# Altium PCB E17-06-PDU_E17-PDU-LAYOUT.PcbDoc (part 2 of 2)
Units mil, origin at the board's own origin, x right, y up, seen from the top; angles counter-clockwise.
Board outline 5658 x 3552 mil, 4 copper layers (Top Layer, Internal Layer 1, Internal Layer 2, Bottom Layer), stack 30.634 mil thick; 170 components, 148 nets, 619 pads, 224 vias.
Unrouted connection lines stored in the file: 6.
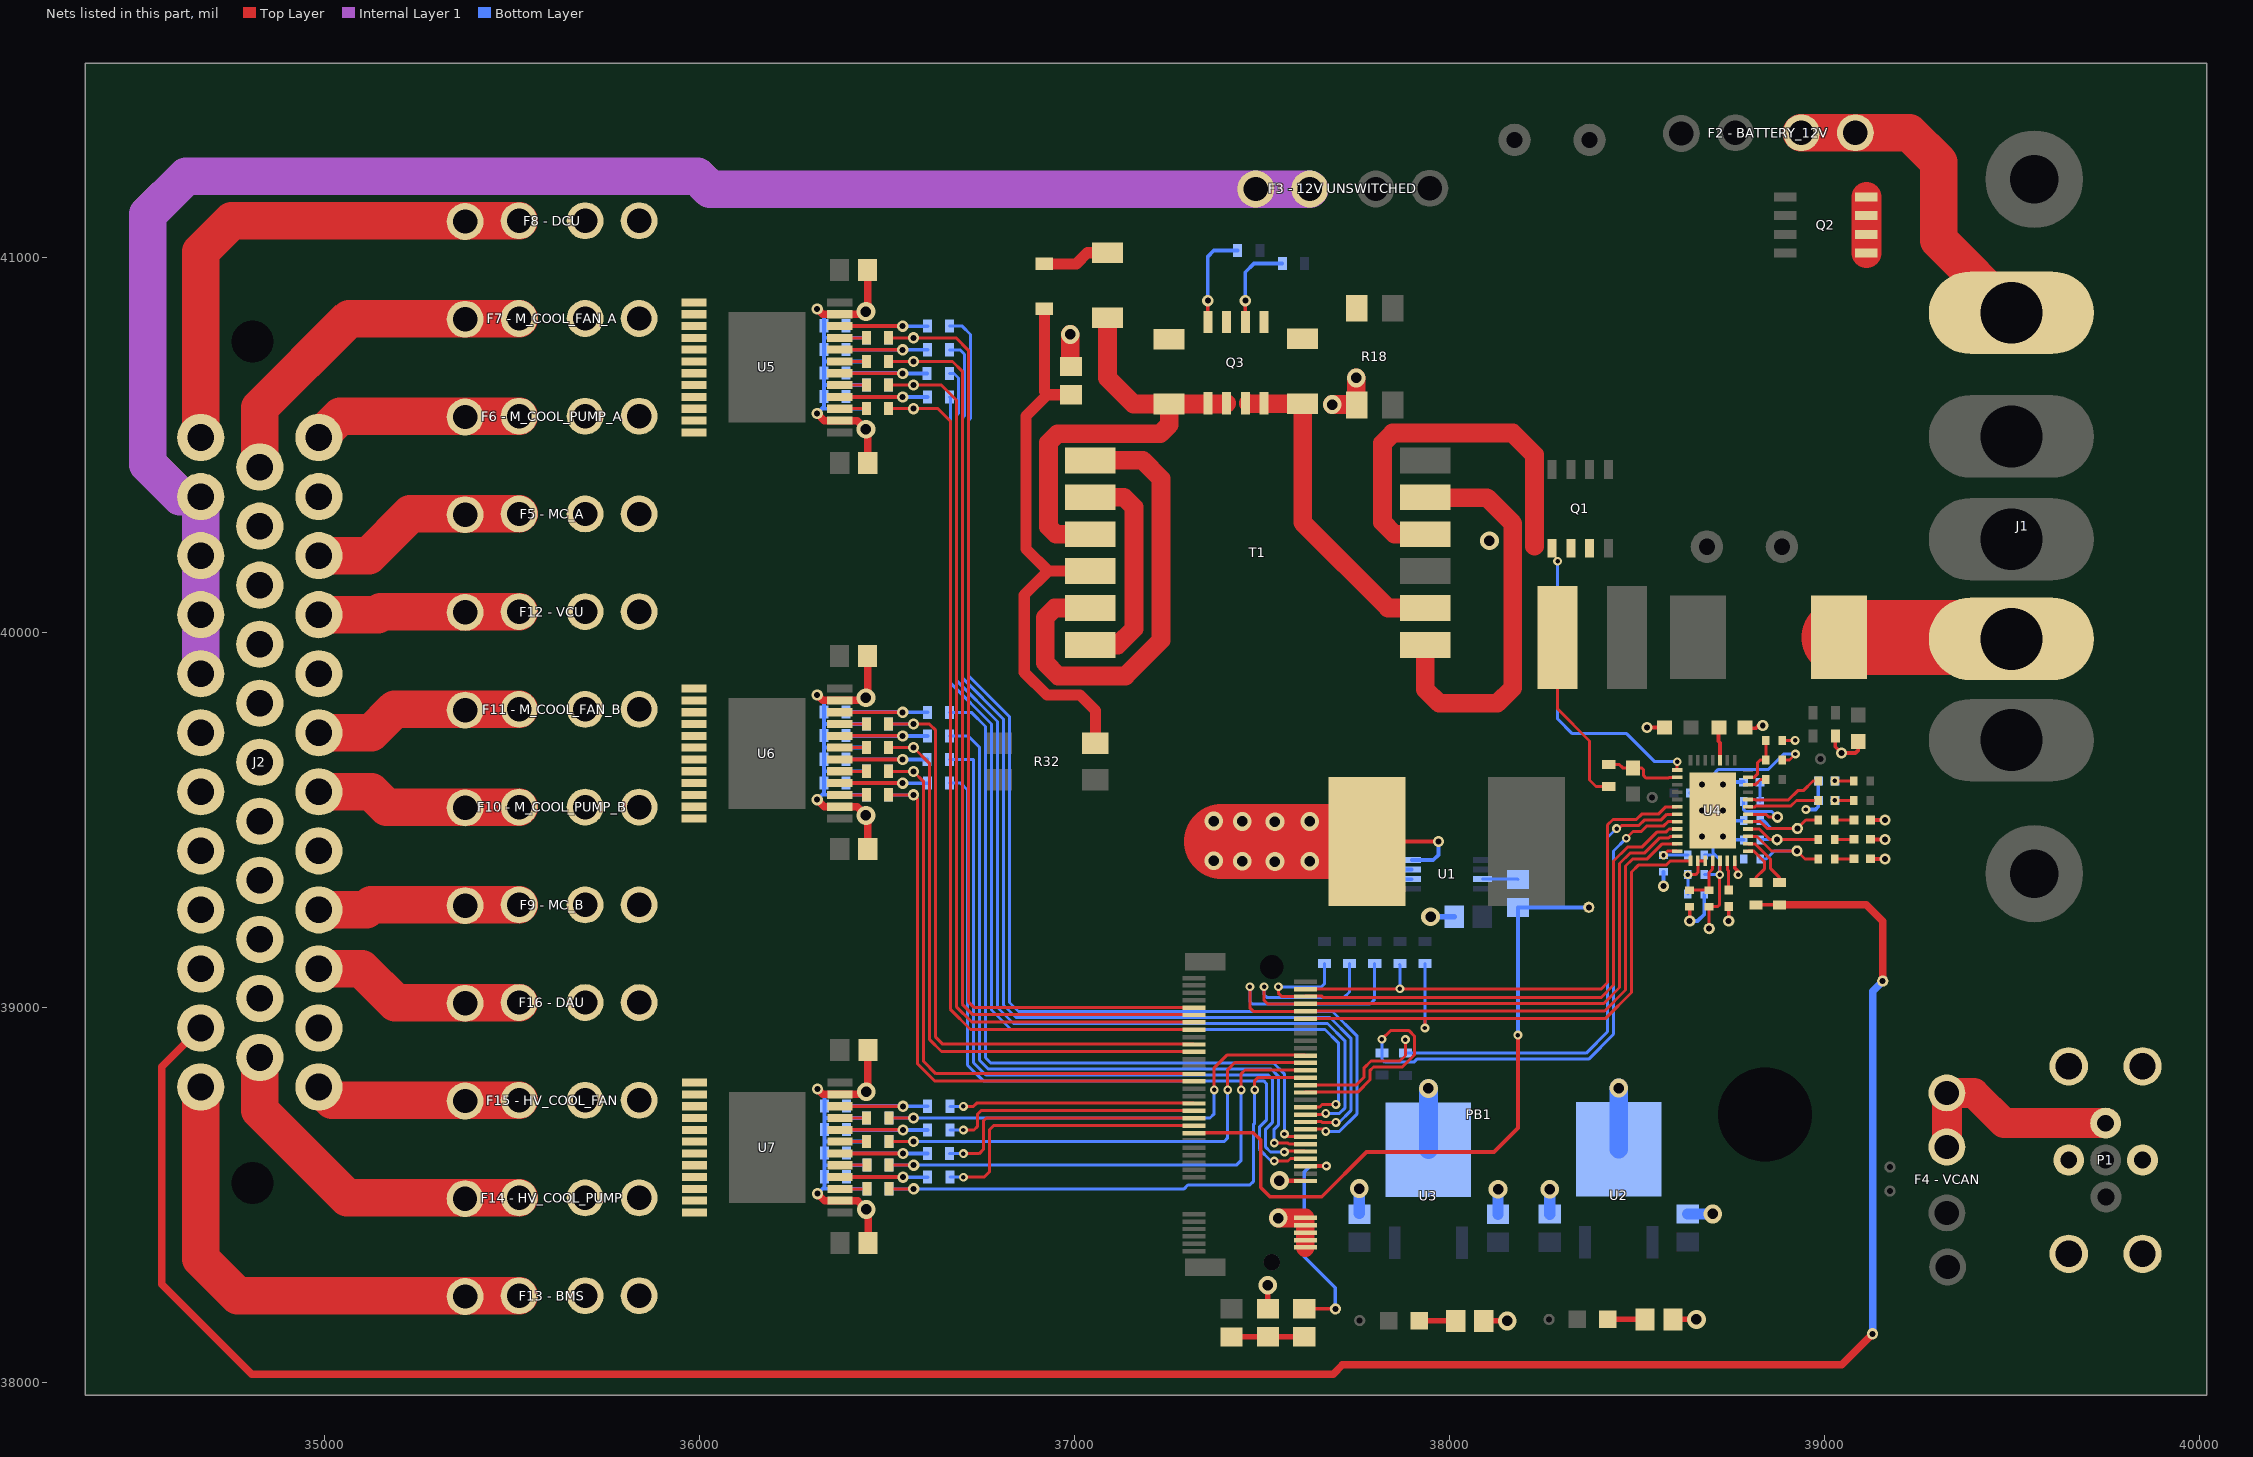
[diagram p4: the nets of this part, all layers, seen from the top]

## Via types
v1: diameter 50, hole 28, Top Layer to Bottom Layer, 108 vias
v2: diameter 23.62, hole 11.81, Top Layer to Bottom Layer, 44 vias
v3: diameter 30, hole 16, Top Layer to Bottom Layer, tented both sides, 32 vias
v4: diameter 30, hole 16, Top Layer to Bottom Layer, 23 vias
v5: diameter 23.62, hole 11.81, Top Layer to Bottom Layer, tented both sides, 10 vias
v6: diameter 50, hole 28, Top Layer to Bottom Layer, tented both sides, 5 vias
v7: diameter 30, hole 16, Top Layer to Bottom Layer, tented bottom, 1 vias
v8: diameter 23.62, hole 11.81, Top Layer to Bottom Layer, tented bottom, 1 vias

## Nets (pads, with @x,y where several pads share a name; then routed paths per layer and width w, separated by ;. In a path a pad name is that pad's centre, name@x,y a point inside that pad or via, vN(x,y) a via of type N, cw(c..) or ccw(c..) an arc to the next point about the centre after c; other vN are vias at no path point) (continued)
GND: C1.1 C2.2 C3.2 C4.2 C5.2 C6.2 C8.2 C9.2 C11.2 C12.1 C13.2 C14.2 C15.2 C16.2 C17.2 C18.2 C19.2 C22.2 C23.2 C24.2 C25.2 C26.2 C27.2 J2.2 J2.5 J2.8 J2.11 J2.14 J2.15 J2.16 J2.17 J2.18 J2.19 J2.20 J2.21 J2.22 J2.29 J2.30 J2.31 J2.32 J2.33 P1.1 P1.3 P1.6 P1.7 P1.8 P1.9 PB1.2 PB1.4 PB1.6 PB1.8 PB1.10 PB1.12 R1.1 R6.2 R9.2 R12.2 R14.2 R18.1 R27.2 R28.2 R29.2 R30.2 R33.2 R36.2 R38.2 R41.1 R42.1 R43.1 R46.1 R53.2 R54.2 R55.2 R56.2 R57.1 R58.1 R59.1 R62.1 R69.2 R70.2 R71.2 R72.2 R73.1 R74.1 R75.1 R78.1 R85.2 R86.2 R87.2 R88.2 U1.4 U2.2 U3.2 U4.19 U4.39 U5.2 U5.11 U6.2 U6.11 U7.2 U7.11 | length 6669.8
  Top Layer w8: R27.2@38888.23,39711.97 v5(38922.23,39711.97)
  Top Layer w9.84: U4.19@38761.28,39391.12 38761.28,39371.52 38770.23,39362.58 v5(38770.23,39353.97)
  Top Layer w10: R1.1@37780.77,39442.77 v4(37970.97,39442.77) ; v4(38526.97,39746.77) C4.2@38573.97,39746.77 ; v7(38641.25,39230.2) R29.2@38641.25,39268.95 ; v3(38745.25,39230.2) C16.2@38745.25,39268.95 ; C15.2@38788.97,39746.77 38790.97,39744.77 38817.97,39744.77 38824.97,39751.77 v4(38835.97,39751.77) ; R14.2@39029.47,39723.77 39029.47,39695.27 v3(39045.97,39678.77) 39082.97,39678.77 39090.97,39686.77 C8.2@39090.97,39709.77 ; C19.2@39123.25,39396 v3(39162,39396) ; C14.2@39123.25,39448 v3(39162,39448) ; C13.2@39123.25,39500 v3(39162,39500)
  Top Layer w12: v1(37547,38538) 37547.22,38537.78 PB1.12@37615.24,38537.78
  Top Layer w15: R6.2@37516,38196.4 v1(37516,38259) ; R12.2@38091.77,38163.77 v1(38154.37,38163.77) ; R9.2@38596.37,38167.77 v6(38658.97,38167.77)
  Top Layer w20: v4(36314,39554) 36332.73,39535.27 U6.2@36374.19,39535.27 36420.73,39535.27 v1(36444,39512) 36448.8,39507.2 C24.2@36448.8,39422 ; v4(36314,39833) 36328.27,39818.73 U6.11@36374.19,39818.73 36436.73,39818.73 v1(36444,39826) 36448.4,39830.4 C25.2@36448.4,39937 ; v4(36314,40584) 36332.73,40565.27 U5.2@36374.19,40565.27 36420.73,40565.27 v1(36444,40542) 36448.8,40537.2 C22.2@36448.8,40452 ; v4(36314,40863) 36328.27,40848.73 U5.11@36374.19,40848.73 36436.73,40848.73 v1(36444,40856) 36448.4,40860.4 C23.2@36448.4,40967 ; v4(36314.81,38503.26) 36333.54,38484.53 U7.2@36375,38484.53 36421.54,38484.53 v1(36444.81,38461.26) 36449.61,38456.46 C26.2@36449.61,38371.26 ; v4(36314.81,38782.26) 36329.08,38767.99 U7.11@36375,38767.99 36437.54,38767.99 v1(36444.81,38775.26) 36449.21,38779.66 C27.2@36449.21,38886.26
  Top Layer w50: v6(36989,40795) 36989,40711 C11.2@36991,40709 ; v1@37544.46,38438.46 PB1.10@37616,38438.46 PB1.8@37616,38418.78 PB1.6@37616,38399.1 PB1.4@37616,38379.41 PB1.2@37616,38359.72 ; v1(37687.97,40607.77) 37751.97,40607.77 v1(37751.97,40678.77)
  Top Layer w200: 37392.23,39442.77 R1.1@37780.77,39442.77
  Bottom Layer w9.84: C17.2@38643.23,39571.97 38667.23,39571.97 38674.23,39578.97 v3(38674.23,39593.97)
  Bottom Layer w10: v4(36314,39554) 36332.5,39572.5 ; v4(36314,39833) 36332.5,39814.5 R72.2@36332.5,39788 36332.5,39756 ; v4(36314,40584) 36332.5,40602.5 ; v4(36314,40863) 36332.5,40844.5 R56.2@36332.5,40818 36332.5,40786 ; v4(36314.81,38503.26) 36333.31,38521.76 ; v4(36314.81,38782.26) 36333.31,38763.76 R88.2@36333.31,38737.26 36333.31,38705.26 ; R57.1@36445.5,39567 36332.5,39567 36332.5,39572.5 ; R58.1@36445.5,39630 36332.5,39630 ; R59.1@36445.5,39693 36332.5,39693 ; R62.1@36445.5,39756 36332.5,39756 ; R41.1@36445.5,40597 36332.5,40597 36332.5,40602.5 ; R42.1@36445.5,40660 36332.5,40660 ; R43.1@36445.5,40723 36332.5,40723 ; R46.1@36445.5,40786 36332.5,40786 ; R73.1@36446.31,38516.26 36333.31,38516.26 36333.31,38521.76 ; R74.1@36446.31,38579.26 36333.31,38579.26 ; R75.1@36446.31,38642.26 36333.31,38642.26 ; R78.1@36446.31,38705.26 36333.31,38705.26 ; U1.4@37899.48,39393.16 37957.35,39393.16 37970.97,39406.77 v4(37970.97,39442.77) ; v3(38571.2,39323.2) R28.2@38571.2,39361.95 ; v7(38641.25,39230.2) 38662.2,39230.2 38680.23,39248.23 R30.2@38680.23,39301.97 ; v4(38730.23,39455.97) 38739.23,39446.97 R36.2@38785.23,39446.97 ; v4(38730.23,39524.97) 38757.23,39497.97 R33.2@38785.23,39497.97 ; v3(38730.23,39593.97) 38737.23,39600.97 C18.2@38785.23,39600.97 ; v5(38950.97,39527.77) 38976.97,39527.77 38984.23,39535.03 C9.2@38984.23,39551.97 C12.1@38984.23,39603.97 ; 36332.5,39572.5 R69.2@36332.5,39599 36332.5,39630 ; 36332.5,39630 R70.2@36332.5,39662 36332.5,39693 ; 36332.5,39693 R71.2@36332.5,39725 36332.5,39756 ; 36332.5,40602.5 R53.2@36332.5,40629 36332.5,40660 ; 36332.5,40660 R54.2@36332.5,40692 36332.5,40723 ; 36332.5,40723 R55.2@36332.5,40755 36332.5,40786 ; 36333.31,38521.76 R85.2@36333.31,38548.26 36333.31,38579.26 ; 36333.31,38579.26 R86.2@36333.31,38611.26 36333.31,38642.26 ; 36333.31,38642.26 R87.2@36333.31,38674.26 36333.31,38705.26
  Bottom Layer w15: v6(37949.97,39241.77) C1.1@38012.97,39241.77
  Bottom Layer w30: C6.2@37759.97,38450.14 v1(37759.97,38516.74) ; C5.2@38129.97,38448.17 v1(38129.97,38514.77) ; C3.2@38267.97,38448.57 v1(38267.97,38515.17) ; C2.2@38635.97,38449.17 v1(38702.57,38449.17)
  Bottom Layer w50: U3.2@37944.2,38620.8 v1(37944.2,38783.79) ; U2.2@38451.97,38621.79 v1(38451.97,38784.77)
  other v1: 37544,38438 37535,39389 37448,39390 37628,39390 37372,39391 37535,39495 37448,39496 37628,39496 37372,39497
  other v4: 38674.23,39455.97 38674.23,39524.97
  other v6: 38106.97,40244.77
ICAL: R34.1 R36.1 TP11.1 U4.23 | length 244.7
  Top Layer w8: U4.23@38796.72,39475.76 38826.81,39475.76 38855.23,39447.35 TP11.1@38874.23,39447.35 38874.86,39447.97 R34.1@38984.23,39447.97
  Bottom Layer w8: R36.1@38829.23,39446.97 38829.6,39447.35 TP11.1@38874.23,39447.35
ICHG: R31.1 R33.1 TP13.1 U4.24 | length 311.9
  Top Layer w8: U4.24@38796.72,39495.45 38829.76,39495.45 38847.86,39477.35 TP13.1@38928.23,39477.35 38950.86,39499.97 R31.1@38984.23,39499.97
  Bottom Layer w8: R33.1@38829.23,39497.97 38838.42,39497.97 38859.04,39477.35 TP13.1@38928.23,39477.35
IPCC: R37.1 R38.1 TP9.1 U4.22 | length 315.3
  Top Layer w8: U4.22@38796.72,39456.08 38820.66,39456.08 38859.39,39417.35 TP9.1@38923.23,39417.35 ; TP9.1@38927.23,39417.35 38948.6,39395.97 R37.1@38984.23,39395.97
  Bottom Layer w8: R38.1@38829.23,39395.97 38845.23,39395.97 38866.6,39417.35 TP9.1@38927.23,39417.35
ITH: R35.1 TP8.1 U4.25 | length 201.9
  Top Layer w8: U4.25@38796.72,39515.13 38844.7,39515.13 38852.48,39507.35 TP8.1@38875.23,39507.35
  Bottom Layer w8: R35.1@38785.23,39548.97 38785.23,39526.97 38789.23,39522.97 38859.6,39522.97 TP8.1@38875.23,39507.35
NetC7_2: C7.2 R13.2 U4.2 | length 207.1
  Top Layer w8: R13.2@38425.23,39648.47 38452.73,39648.47 38462.23,39638.97 C7.2@38490.23,39638.97 38512.23,39638.97 38518.23,39632.97 38518.23,39617.97 38524.23,39611.97 38585.23,39611.97 38586.81,39613.56 U4.2@38607.74,39613.56
NetC9_1: C9.1 R19.2 R20.1 | length 51
  Top Layer w8: v2(39028.23,39551.97) R20.1@39079.23,39551.97
NetC12_2: C12.2 R25.2 R26.1 | length 51
  Top Layer w8: v2(39028.23,39603.97) R26.1@39079.23,39603.97
NetC13_1: C13.1 R31.2 | length 51
  Top Layer w8: R31.2@39028.23,39499.97 C13.1@39079.23,39499.97
NetC14_1: C14.1 R34.2 | length 51
  Top Layer w8: R34.2@39028.23,39447.97 C14.1@39079.23,39447.97
NetC18_1: C18.1 R35.2 | length 52
  Bottom Layer w8: R35.2@38829.23,39548.97 C18.1@38829.23,39600.97
NetC19_1: C19.1 R37.2 | length 51
  Top Layer w8: R37.2@39028.23,39395.97 C19.1@39079.23,39395.97
NetD5_2: 
NetD6_2: D6.2 D8.2 | length 180.4
  Top Layer w30: D6.2@36920,40983 37004.85,40983 37034.85,41013 D8.2@37088,41013
NetF1_1: "F1 - DC/DC_12V.1" J1.4 | length 461.7
  Top Layer w200: 39038.97,39986.77 39494.97,39986.77 J1.4@39498.97,39982.77
NetF2_1: "F2 - BATTERY_12V.1" J1.1 | length 880.7
  Top Layer w100: 38938.96,41332.77 39083.05,41332.77 39226.97,41332.77 39305.97,41253.77 39305.97,41045.77 J1.1@39498.97,40852.77
NetF3_1: "F3 - 12V UNSWITCHED.1" J2.25 J2.26 J2.27 J2.28 | length 4470.6
  Internal Layer 1 w100: J2.28@34670,39890 J2.27@34670,40047.48 J2.26@34670,40204.96 J2.25@34670,40362.44 34615.56,40362.44 34529,40449 34529,41115 34631,41217 35994,41217 36028.23,41182.77 37483.79,41182.77 37627.89,41182.77
NetF4_1: "F4 - VCAN.1" P1.2 | length 601.1
  Top Layer w80: 39326.97,38627.77 39326.97,38771.87 39399.13,38771.87 39479.8,38691.2 P1.2@39750.54,38691.2
NetF5_1: "F5 - MC_A.1" U5.22 U5.23 U5.24
NetF5_2: "F5 - MC_A.2" J2.3 | length 580.1
  Top Layer w100: J2.3@34984.96,40204.96 35117.96,40204.96 35229.09,40316.09 35519,40316.09
NetF6_1: "F6 - M_COOL_PUMP_A.1" U5.19 U5.20 U5.21
NetF6_2: "F6 - M_COOL_PUMP_A.2" J2.1 | length 557.6
  Top Layer w100: J2.1@34984.96,40519.92 35041.77,40576.73 35519,40576.73
NetF7_1: "F7 - M_COOL_FAN_A.1" U5.16 U5.17 U5.18
NetF7_2: "F7 - M_COOL_FAN_A.2" J2.13 | length 948.4
  Top Layer w100: J2.13@34827.48,40441.18 34827.48,40599.48 35065.36,40837.36 35519,40837.36
NetF8_1: "F8 - DCU.1" U5.13 U5.14 U5.15
NetF8_2: "F8 - DCU.2" J2.24 | length 1378.5
  Top Layer w100: J2.24@34670,40519.92 34670,41015 34753,41098 35519,41098
NetF9_1: "F9 - MC_B.1" U6.22 U6.23 U6.24
NetF9_2: "F9 - MC_B.2" J2.9 | length 539.6
  Top Layer w100: J2.9@34984.96,39260.08 35111.08,39260.08 35124.55,39273.55 35519,39273.55
NetF10_1: "F10 - M_COOL_PUMP_B.1" U6.19 U6.20 U6.21
NetF10_2: "F10 - M_COOL_PUMP_B.2" J2.7 | length 551
  Top Layer w100: J2.7@34984.96,39575.04 35124.96,39575.04 35165.82,39534.18 35519,39534.18
NetF11_1: "F11 - M_COOL_FAN_B.1" U6.16 U6.17 U6.18
NetF11_2: "F11 - M_COOL_FAN_B.2" J2.6 | length 559.8
  Top Layer w100: J2.6@34984.96,39732.52 35124.52,39732.52 35186.82,39794.82 35519,39794.82
NetF12_1: "F12 - VCU.1" U6.13 U6.14 U6.15
NetF12_2: "F12 - VCU.2" J2.4 | length 537.3
  Top Layer w100: J2.4@34984.96,40047.48 35142.48,40047.48 35150.45,40055.45 35519,40055.45
NetF13_1: "F13 - BMS.1" U7.22 U7.23 U7.24
NetF13_2: "F13 - BMS.2" J2.35 | length 1347.6
  Top Layer w100: J2.35@34670,38787.64 34670,38330 34769,38231 35519,38231
NetF14_1: "F14 - HV_COOL_PUMP.1" U7.19 U7.20 U7.21
NetF14_2: "F14 - HV_COOL_PUMP.2" J2.23 | length 929
  Top Layer w100: J2.23@34827.48,38866.38 34827.48,38725.52 35061,38492 35518.92,38492
NetF15_1: "F15 - HV_COOL_FAN.1" U7.16 U7.17 U7.18
NetF15_2: "F15 - HV_COOL_FAN.2" J2.12 | length 548.7
  Top Layer w100: J2.12@34984.96,38787.64 35020.33,38752.27 35519,38752.27
NetF16_1: "F16 - DAU.1" U7.13 U7.14 U7.15
NetF16_2: "F16 - DAU.2" J2.10 | length 571.2
  Top Layer w100: J2.10@34984.96,39102.6 35099.4,39102.6 35189.09,39012.91 35519,39012.91
NetJ2_34: J2.34 R15.1 R17.1 TP14.1 | length 6900.7
  Top Layer w10: R15.1@38818.23,39273.47 R17.1@38880.23,39273.47
  Top Layer w20: J2.34@34670,38945.12 34566,38841.12 34566,38262 34806,38022 37690.11,38022 37715.06,38046.94 39046.68,38046.94 v4(39129,38129.26) ; R17.1@38880.23,39273.47 39112.53,39273.47 39156,39230 TP14.1@39156,39070
  Bottom Layer w20: v4(39129,38129.26) 39129,39043 TP14.1@39156,39070
NetLED1_2: LED1.2 R9.1 | length 98.6
  Top Layer w15: LED1.2@38423,38167.77 R9.1@38521.57,38167.77
NetLED2_2: LED2.2 R12.1 | length 97
  Top Layer w15: LED2.2@37920,38163.77 R12.1@38016.97,38163.77
NetPB1_16: PB1.16 R5.2 TP2.1 | length 605
  Top Layer w10: R5.2@37613,38196.4 37695.6,38196.4 TP2.1@37696,38196 ; PB1.16@37615.24,38577.15 37615.38,38577 v2(37672,38577)
  Bottom Layer w10: v2(37672,38577) 37629,38577 37613,38561 37613,38335 37696,38252 TP2.1@37696,38196
NetPB1_18: PB1.18 R65.1 | length 1927.5
  Top Layer w8: v2(37533,38590.3) 37533.19,38590.49 37569.86,38590.49 37576.21,38596.83 PB1.18@37615.24,38596.83
  Bottom Layer w8: R65.1@36667,39598 36697,39598 36715,39580 36715,38846 36757,38804 37505,38804 37512,38797 37512,38699.25 37493.19,38680.44 37493.19,38621.81 37524.7,38590.3 v2(37533,38590.3)
NetPB1_20: PB1.20 R66.1 | length 1989.6
  Top Layer w8: v2(37560,38614.3) 37562.22,38616.52 PB1.20@37615.24,38616.52
  Bottom Layer w8: R66.1@36666.5,39661 36731,39661 36731,38852.63 36763.63,38820 37517.75,38820 37528,38809.75 37528,38692.63 37509.19,38673.82 37509.19,38628.44 37523.33,38614.3 v2(37560,38614.3)
NetPB1_22: PB1.22 R67.1 | length 2007.7
  Top Layer w8: v2(37533,38638.3) 37533.19,38638.11 37569.86,38638.11 37571.77,38636.2 PB1.22@37615.24,38636.2
  Bottom Layer w8: R67.1@36667,39724 36717,39724 36747,39694 36747,38859.25 36770.25,38836 37524.37,38836 37544,38816.37 37544,38686 37533,38675 v2(37533,38638.3)
NetPB1_24: PB1.24 R68.1 | length 2028.2
  Top Layer w8: v2(37560,38662.3) 37566.41,38655.89 PB1.24@37615.24,38655.89
  Bottom Layer w8: R68.1@36667,39787 36725,39787 36763,39749 36763,38865.88 36776.88,38852 37531,38852 37560,38823 v2(37560,38662.3)
NetPB1_25: PB1.25 R2.2 TP1.1 | length 1863
  Top Layer w10: PB1.25@37317.99,38665.73 37477.27,38665.73 37497,38646 37497,38520 37522,38495 37660,38495 37779,38614 38119,38614 38183,38678 v2(38183,38926)
  Bottom Layer w10: R2.2@38182.97,39266.37 38371.37,39266.37 TP1.1@38372,39267 ; v2(38183,38926) R2.2@38183,39266.34
NetPB1_26: PB1.26 R52.1 | length 3227.2
  Top Layer w8: PB1.26@37615.24,38675.57 37664.06,38675.57 v2(37670.47,38669.16)
  Bottom Layer w8: R52.1@36667,40817 36701,40817 36723,40795 36723,40570.75 36717,40564.75 36717,39885.51 36827,39775.51 36827,39013 36850.68,38989.32 37688.56,38989.32 37753.28,38924.6 37753.28,38715.3 37707.33,38669.35 37670.66,38669.35 v2(37670.47,38669.16)
NetPB1_27: PB1.27 R81.1 | length 773.2
  Top Layer w8: v2(36704,38547) 36759,38547 36773,38561 36773,38673 36785.42,38685.42 PB1.27@37317.99,38685.42
  Bottom Layer w8: R81.1@36667.81,38547.26 36703.74,38547.26 v2(36704,38547)
NetPB1_28: PB1.28 R51.1 | length 3120.8
  Top Layer w8: PB1.28@37615.24,38695.26 37658.7,38695.26 37660.61,38693.35 37697.28,38693.35 v2(37697.47,38693.16)
  Bottom Layer w8: R51.1@36667,40754 36695,40754 36707,40742 36707,40577.37 36701,40571.37 36701,39878.88 36811,39768.88 36811,39006.37 36844.05,38973.32 37681.93,38973.32 37737.28,38917.97 37737.28,38724.67 37705.77,38693.16 v2(37697.47,38693.16)
NetPB1_29: PB1.29 R82.1 | length 734.7
  Top Layer w8: v2(36704,38610) 36746,38610 36757,38621 36757,38697 36765.1,38705.1 PB1.29@37317.99,38705.1
  Bottom Layer w8: R82.1@36667.3,38610.25 36667.55,38610 v2(36704,38610)
NetPB1_30: PB1.30 R50.1 | length 3012.5
  Top Layer w8: PB1.30@37615.24,38714.94 37668.25,38714.94 v2(37670.47,38717.16)
  Bottom Layer w8: R50.1@36666.5,40691 36679,40691 36691,40679 36691,40584 36685,40578 36685,39872.25 36795,39762.25 36795,38999.75 36837.42,38957.32 37675.31,38957.32 37721.28,38911.35 37721.28,38731.3 37707.33,38717.35 37670.66,38717.35 v2(37670.47,38717.16)
NetPB1_31: PB1.31 R83.1 | length 690.8
  Top Layer w8: v2(36704,38673) 36732,38673 36741,38682 36741,38714.47 36751.32,38724.79 PB1.31@37317.99,38724.79
  Bottom Layer w8: R83.1@36667.79,38673.24 36703.76,38673.24 v2(36704,38673)
NetPB1_32: PB1.32 R49.1 | length 2894.6
  Top Layer w8: PB1.32@37615.24,38734.63 37654.26,38734.63 37660.61,38740.97 v2@37697.28,38740.97
  Bottom Layer w8: R49.1@36667,40628 36669,40626 36669,39865.63 36779,39755.63 36779,38993.12 36830.8,38941.32 37668.68,38941.32 37704,38906 37704,38747.69 v2(37697.47,38741.16)
NetPB1_33: PB1.33 R84.1 | length 653.8
  Top Layer w8: v2(36704,38736) 36731,38736 36739.47,38744.47 PB1.33@37317.99,38744.47
  Bottom Layer w8: R84.1@36667.81,38736.26 36668.07,38736 v2(36704,38736)
NetPB1_36: PB1.36 R8.1 U4.8 | length 1896
  Top Layer w8: PB1.36@37615.24,38774 37755.63,38774 37788,38806.37 37788,38831.37 37797.63,38841 37874.63,38841 37906.81,38873.18 37906.81,38923.86 37892.86,38937.81 37842.81,38937.81 v2(37820,38915) ; v2(38472,39451) 38489.96,39468.96 38512.09,39468.96 38527.52,39484.39 38571.97,39484.39 38583.03,39495.45 U4.8@38607.74,39495.45
  Bottom Layer w8: v2(37820,38915) R8.1@37820,38878.5 37820,38862 37828,38854 37905.47,38854 37913.47,38862 38371.63,38862 38438.19,38928.56 38438.19,39417.19 v2(38472,39451)
NetPB1_38: PB1.38 R7.1 U4.7 | length 1684.9
  Top Layer w8: PB1.38@37615.24,38793.68 37752.68,38793.68 37772,38813 37772,38838 37791,38857 37868,38857 37883,38872 v2(37883,38914) ; v2(38446,39477) 38451.63,39477 38459.59,39484.96 38505.46,39484.96 38520.89,39500.39 38565.35,39500.39 38580.09,39515.13 U4.7@38607.74,39515.13
  Bottom Layer w8: v2(37883,38914) R7.1@37883,38878 38365,38878 38422.19,38935.19 38422.19,39453.19 v2(38446,39477)
NetPB1_39: PB1.39 R57.2 R60.1 | length 1610.4
  Top Layer w8: R60.1@36504.5,39567 v3(36571,39567) 36582,39556 36582,38849 36627.47,38803.53 PB1.39@37317.99,38803.53
  Bottom Layer w8: R57.2@36504.5,39567 v3(36571,39567)
NetPB1_40: PB1.40 R73.2 R76.1 | length 1454.1
  Top Layer w8: R76.1@36505.31,38516.26 v3(36571.26,38516.26) ; v2(37481,38780) 37481,38804 37490.37,38813.37 PB1.40@37615.24,38813.37
  Bottom Layer w8: R73.2@36505.31,38516.26 v3(36571.26,38516.26) 37292.83,38516.26 37302.67,38526.1 37468,38526.1 37477.19,38535.29 37477.19,38687.07 37481,38690.88 v2(37481,38780)
NetPB1_41: PB1.41 R58.2 R61.1 | length 1651.8
  Top Layer w8: R61.1@36504.5,39630 36505.5,39629 v3(36571,39629) 36598,39602 36598,38855.63 36630.42,38823.21 PB1.41@37317.99,38823.21
  Bottom Layer w8: R58.2@36504.5,39630 36505.5,39629 v3(36571,39629)
NetPB1_42: PB1.42 R74.2 R77.1 | length 1416.2
  Top Layer w8: R77.1@36505.31,38579.26 v3(36571.26,38579.26) ; v2(37445,38780) 37445,38823 37455.05,38833.05 PB1.42@37615.24,38833.05
  Bottom Layer w8: R74.2@36505.31,38579.26 v3(36571.26,38579.26) 37432,38579.26 37445,38592.26 v2(37445,38780)
NetPB1_44: PB1.44 R75.2 R79.1 | length 1370
  Top Layer w8: R79.1@36505.06,38642.01 v3(36571.01,38642.01) ; v2(37409,38780) 37409,38834 37427.74,38852.74 PB1.44@37615.24,38852.74
  Bottom Layer w8: R75.2@36505.06,38642.01 v3(36571.01,38642.01) 37399,38642.01 37409,38652.01 v2(37409,38780)
NetPB1_46: PB1.46 R78.2 R80.1 | length 1317.5
  Top Layer w8: R80.1@36505.05,38705 v3(36571,38705) ; v2(37373,38780) 37373,38839 37406.42,38872.42 PB1.46@37615.24,38872.42
  Bottom Layer w8: R78.2@36505.05,38705 v3(36571,38705) 37362,38705 37373,38716 v2(37373,38780)
NetPB1_47: PB1.47 R59.2 R63.1 | length 1646.9
  Top Layer w8: R63.1@36504.5,39693 v3(36571,39693) 36614,39650 36614,38914 36645.73,38882.27 PB1.47@37317.99,38882.27
  Bottom Layer w8: R59.2@36504.5,39693 v3(36571,39693)
NetPB1_49: PB1.49 R62.2 R64.1 | length 1713.1
  Top Layer w8: R64.1@36504.5,39756 v3(36571,39756) 36613,39756 36630,39739 36630,38920.63 36648.68,38901.95 PB1.49@37317.99,38901.95
  Bottom Layer w8: R62.2@36504.5,39756 v3(36571,39756)
NetPB1_53: PB1.53 R41.2 R44.1 | length 2429.5
  Top Layer w8: R44.1@36504.5,40597 v3(36571,40597) 36636,40597 36669,40564 36669,38995.37 36723.05,38941.32 PB1.53@37317.99,38941.32
  Bottom Layer w8: R41.2@36504.5,40597 R41.2@36512.5,40605
NetPB1_55: PB1.55 R42.2 R45.1 | length 2465
  Top Layer w8: R45.1@36504.5,40660 v3(36571,40660) 36645,40660 36685,40620 36685,39002 36725.99,38961.01 PB1.55@37317.99,38961.01
NetPB1_56: PB1.56 R95.2 U4.13 | length 1587.8
  Top Layer w8: PB1.56@37615.24,38970.85 37935,38970.85 ; v2(37935,38945) 37935,38970.85 ; U4.13@38643.17,39391.12 38590.04,39391.12 38578.12,39379.19 38504,39379.19 38486.19,39361.38 38486.19,39039.68 38417.36,38970.85 37935,38970.85
  Bottom Layer w8: v2(37935,38945) R95.2@37935,39116.5
NetPB1_57: PB1.57 R43.2 R47.1 | length 2524.2
  Top Layer w8: R47.1@36504.5,40723 v3(36571,40723) 36675,40723 36701,40697 36701,39008.63 36728.93,38980.69 PB1.57@37317.99,38980.69
NetPB1_58: PB1.58 R94.2 U4.11 | length 2053.3
  Top Layer w8: v2(37468,39055) 37468,38999 37477.36,38989.64 PB1.58@37616,38989.64 ; PB1.58@37615.24,38990.53 38414.42,38990.53 38470.19,39046.31 38470.19,39376.93 38488.44,39395.19 38526.77,39395.19 38567.97,39436.39 U4.11@38607.74,39436.39
  Bottom Layer w8: v2(37468,39055) 37468,39016 37474.67,39009.33 37788.33,39009.33 37801,39022 R94.2@37801,39116.5
NetPB1_59: PB1.59 R46.2 R48.1 | length 2571.1
  Top Layer w8: R48.1@36504.5,40786 v3(36571,40786) 36684,40786 36717,40753 36717,39015.25 36731.88,39000.38 PB1.59@37317.99,39000.38
NetPB1_60: PB1.60 R93.2 U4.10 | length 1854.4
  Top Layer w8: v2(37506,39055) 37506,39019 37515.67,39009.33 PB1.60@37616,39009.33 ; PB1.60@37615.24,39010.22 37615.68,39009.78 38411.03,39009.78 38454.19,39052.93 38454.19,39383.56 38481.82,39411.19 38520.14,39411.19 38561.34,39452.39 38585.23,39452.39 38588.91,39456.08 U4.10@38607.74,39456.08
  Bottom Layer w8: v2(37506,39055) 37506,39034 37513,39027 37720,39027 37734,39041 R93.2@37734,39116.5
NetPB1_62: PB1.62 R92.2 U4.9 | length 1646.8
  Top Layer w8: v2(37544,39055) 37544,39038 37552.99,39029.01 PB1.62@37616,39029.01 ; PB1.62@37615.24,39029.9 37660.1,39029.9 37664.22,39025.78 38404.41,39025.78 38438.19,39059.56 38438.19,39390.19 38475.19,39427.19 38513.52,39427.19 38554.72,39468.39 38578.6,39468.39 38585.97,39475.76 U4.9@38607.74,39475.76
  Bottom Layer w8: v2(37544,39055) 37659,39055 37667,39063 R92.2@37667,39116.5
NetPB1_64: PB1.64 R91.2 U4.6 | length 1505.2
  Top Layer w8: PB1.64@37615.24,39049.59 v5(37868,39049.59) 38405.59,39049.59 38422.19,39066.19 38422.19,39486.86 38436.29,39500.96 38498.83,39500.96 38514.26,39516.39 38558.72,39516.39 38577.14,39534.82 U4.6@38607.74,39534.82
  Bottom Layer w8: R91.2@37867,39114.51 37868,39113.51 v5(37868,39049.59)
NetQ2_5: Q2.5 Q2.6 Q2.7 Q2.8 | length 150
  Top Layer w80: Q2.5@39112.27,41011.77 Q2.6@39112.27,41061.77 Q2.7@39112.27,41111.77 Q2.8@39112.27,41161.77
NetQ3_2: Q3.2 R89.2 | length 240.7
  Top Layer w10: Q3.2@37455.97,40828.08 v4(37455.97,40884.77)
  Bottom Layer w10: v4(37455.97,40884.77) 37455.97,40960.77 37478.97,40983.77 R89.2@37554.47,40983.77
NetQ3_4: Q3.4 R90.2 | length 260.8
  Top Layer w10: Q3.4@37355.97,40828.08 v4(37355.97,40884.77)
  Bottom Layer w10: v4(37355.97,40884.77) 37355.97,41002.77 37371.97,41018.77 R90.2@37435.47,41018.77
NetR2_1: R2.1 U1.7 | length 94.8
  Bottom Layer w8: U1.7@38088.46,39341.98 38182.16,39341.98 R2.1@38182.97,39341.17
NetR3_1: R3.1 U1.3 | length 83.7
  Bottom Layer w10: R3.1@37825.97,39392.17 37849.4,39392.17 37874.01,39367.57 U1.3@37899.48,39367.57
NetR3_2: R3.2 U1.2 | length 83.7
  Bottom Layer w10: R3.2@37825.97,39317.37 37846.57,39317.37 37871.17,39341.98 U1.2@37899.48,39341.98
NetR4_1: R4.1 R5.1 R6.1 | length 194.2
  Top Layer w10: R5.1@37612.6,38121.2 R5.1@37613,38121.6
  Top Layer w15: R4.1@37419,38121.2 R5.1@37612.6,38121.2
NetR15_2: R15.2 U4.20 | length 121.4
  Top Layer w8: U4.20@38796.72,39416.71 38812.5,39416.71 38841.23,39387.97 38841.23,39369.97 38818.23,39346.97 R15.2@38818.23,39332.47
NetR16_1: R16.1 U4.29 | length 53.4
  Top Layer w8: U4.29@38796.72,39593.87 38816.13,39593.87 38830.23,39607.97 R16.1@38844.23,39607.97
NetR17_2: R17.2 U4.21 | length 149.5
  Top Layer w8: U4.21@38796.72,39436.39 38815.44,39436.39 38857.23,39394.6 38857.23,39369.97 38880.23,39346.97 R17.2@38880.23,39332.47
NetR19_1: R19.1 U4.26 | length 194.6
  Top Layer w8: U4.26@38796.72,39534.82 38815.07,39534.82 38817.23,39536.97 38910.86,39536.97 38925.86,39551.97 R19.1@38984.23,39551.97
NetR25_1: R25.1 U4.27 | length 209.3
  Top Layer w8: U4.27@38796.72,39554.5 38814.7,39554.5 38816.23,39552.97 38904.23,39552.97 38929.22,39577.96 38944.22,39577.96 38970.23,39603.97 R25.1@38984.23,39603.97
NetR44_2: R44.2 U5.3 | length 71.4
  Top Layer w8: U5.3@36374.19,40596.76 36374.43,40597 R44.2@36445.5,40597
NetR45_2: R45.2 U5.5 | length 71.4
  Top Layer w8: U5.5@36374.19,40659.76 36445.26,40659.76 R45.2@36445.5,40660
NetR47_2: R47.2 U5.7 | length 71.4
  Top Layer w8: U5.7@36374.19,40722.75 36445.25,40722.75 R47.2@36445.5,40723
NetR48_2: R48.2 U5.9 | length 71.4
  Top Layer w8: U5.9@36374.19,40785.74 36445.24,40785.74 R48.2@36445.5,40786
NetR49_2: R49.2 R53.1 U5.4 | length 384.8
  Top Layer w10: U5.4@36374.19,40628.26 36541.74,40628.26 v3(36542,40628)
  Bottom Layer w10: R53.1@36391.5,40629 36392.5,40628 v3(36542,40628) R49.2@36608,40628
NetR50_2: R50.2 R54.1 U5.6 | length 384.3
  Top Layer w10: U5.6@36374.19,40691.25 36541.74,40691.25 v3(36542,40690.99)
  Bottom Layer w10: R54.1@36391.5,40692 36540.99,40692 v3(36542,40690.99) R50.2@36607.5,40691
NetR51_2: R51.2 R55.1 U5.8 | length 384.8
  Top Layer w10: U5.8@36374.19,40754.24 36541.74,40754.24 v3(36542,40753.98)
  Bottom Layer w10: R55.1@36391.5,40755 36392.52,40753.98 v3(36542,40753.98) R51.2@36608,40754
NetR52_2: R52.2 R56.1 U5.10 | length 384.8
  Top Layer w10: U5.10@36374.19,40817.24 36541.74,40817.24 v3(36542,40816.98)
  Bottom Layer w10: R56.1@36391.5,40818 36540.98,40818 v3(36542,40816.98) R52.2@36608,40817
NetR60_2: R60.2 U6.3 | length 71.4
  Top Layer w8: U6.3@36374.19,39566.76 36374.43,39567 R60.2@36445.5,39567
NetR61_2: R61.2 U6.5 | length 71.4
  Top Layer w8: U6.5@36374.19,39629.76 36445.26,39629.76 R61.2@36445.5,39630
NetR63_2: R63.2 U6.7 | length 71.4
  Top Layer w8: U6.7@36374.19,39692.75 36445.25,39692.75 R63.2@36445.5,39693
NetR64_2: R64.2 U6.9 | length 71.4
  Top Layer w8: U6.9@36374.19,39755.74 36445.24,39755.74 R64.2@36445.5,39756
NetR65_2: R65.2 R69.1 U6.4 | length 384.8
  Top Layer w10: U6.4@36374.19,39598.26 36541.74,39598.26 v3(36542,39598)
  Bottom Layer w10: R69.1@36391.5,39599 36392.5,39598 v3(36542,39598) R65.2@36608,39598
NetR66_2: R66.2 R70.1 U6.6 | length 384.3
  Top Layer w10: U6.6@36374.19,39661.25 36541.74,39661.25 v3(36542,39660.99)
  Bottom Layer w10: R70.1@36391.5,39662 36540.99,39662 v3(36542,39660.99) R66.2@36607.5,39661
NetR67_2: R67.2 R71.1 U6.8 | length 384.8
  Top Layer w10: U6.8@36374.19,39724.24 36541.74,39724.24 v3(36542,39723.98)
  Bottom Layer w10: R71.1@36391.5,39725 36392.52,39723.98 v3(36542,39723.98) R67.2@36608,39724
NetR68_2: R68.2 R72.1 U6.10 | length 384.8
  Top Layer w10: U6.10@36374.19,39787.24 36541.74,39787.24 v3(36542,39786.98)
  Bottom Layer w10: R72.1@36391.5,39788 36540.98,39788 v3(36542,39786.98) R68.2@36608,39787
NetR76_2: R76.2 U7.3 | length 71.4
  Top Layer w8: U7.3@36375,38516.02 36375.24,38516.26 R76.2@36446.31,38516.26
NetR77_2: R77.2 U7.5 | length 71.4
  Top Layer w8: U7.5@36375,38579.02 36446.06,38579.02 R77.2@36446.31,38579.26
NetR79_2: R79.2 U7.7 | length 71.4
  Top Layer w8: U7.7@36375,38642.01 R79.2@36446.06,38642.01 R79.2@36446.31,38642.26
NetR80_2: R80.2 U7.9 | length 71.4
  Top Layer w8: U7.9@36375,38705 R80.2@36446.05,38705 R80.2@36446.31,38705.26
NetR81_2: R81.2 R85.1 U7.4 | length 384.8
  Top Layer w10: U7.4@36375,38547.52 36542.55,38547.52 v3(36542.81,38547.26)
  Bottom Layer w10: R85.1@36392.31,38548.26 36393.31,38547.26 v3(36542.81,38547.26) R81.2@36608.81,38547.26
NetR82_2: R82.2 R86.1 U7.6 | length 384.3
  Top Layer w10: U7.6@36375,38610.51 36542.55,38610.51 v3(36542.81,38610.25)
  Bottom Layer w10: R86.1@36392.31,38611.26 36541.8,38611.26 v3(36542.81,38610.25) R82.2@36608.3,38610.25
NetR83_2: R83.2 R87.1 U7.8 | length 384.8
  Top Layer w10: U7.8@36375,38673.5 36542.55,38673.5 v3(36542.81,38673.24)
  Bottom Layer w10: R87.1@36392.31,38674.26 36393.32,38673.24 v3(36542.81,38673.24) R83.2@36608.79,38673.24
NetR84_2: R84.2 R88.1 U7.10 | length 384.8
  Top Layer w10: U7.10@36375,38736.5 36542.55,38736.5 v3(36542.81,38736.24)
  Bottom Layer w10: R88.1@36392.31,38737.26 36541.78,38737.26 v3(36542.81,38736.24) R84.2@36608.78,38736.24
NetT1_1: T1.1 T1.5 | length 1084.8
  Top Layer w50: T1.1@37936,39966.87 37936,39848 37972.97,39811.03 38128,39811.03 38168.97,39852 38168.97,40290.77 38100.74,40359 37937.57,40359 T1.5@37936,40360.57
NetT1_7: T1.7 T1.11 | length 1254.6
  Top Layer w50: T1.11@37042.3,40065.3 36947.3,40065.3 36922,40040 36922,39919 36957,39884 37136,39884 37231,39979 37231,40410 37182,40459 T1.7@37042.3,40459
NetT1_8: T1.8 T1.12 | length 586.3
  Top Layer w50: T1.12@37042.3,39966.87 37115.87,39966.87 37159,40010 37159,40334 37132.43,40360.57 T1.8@37042.3,40360.57
SELA: R22.2 R28.1 U4.12 | length 106
  Top Layer w8: v2(38571.23,39405.97) 38581.96,39416.71 U4.12@38607.74,39416.71
  Bottom Layer w8: v2(38571.23,39405.97) R22.2@38636.23,39405.97
SELC: R21.2 R27.1 U4.30 | length 136.5
  Top Layer w8: U4.30@38796.72,39613.56 38813.18,39613.56 38822.5,39622.87 38822.5,39653.24 38829.23,39659.97 R21.2@38844.23,39659.97 R27.1@38844.23,39711.97
SYNC_FET_SOURCE: D3.1 D4.1 Q3.1 Q3.3 R18.2
TIMER: C16.1 U4.18 | length 79.6
  Top Layer w8: U4.18@38741.6,39391.12 38741.6,39367.28 38745.23,39363.65 C16.1@38745.23,39312.97
TRANS_PRI_1: Q1.1 Q1.2 Q1.3 R10.2 R13.1 T1.4 U4.1 | length 2304.8
  Top Layer w8: R10.2@38288.93,39986.77 38288.93,39795.81 38373.97,39710.77 38373.97,39606.77 38391.27,39589.47 R13.1@38425.23,39589.47 ; U4.1@38607.74,39633.24 v2(38607.74,39655.26)
  Top Layer w50: T1.4@37936,40262.15 37853.85,40262.15 37822,40294 37822,40505 37848.77,40531.77 38168.97,40531.77 38226.97,40473.77 38226.97,40229.77
  Bottom Layer w8: v2(38289,40190) 38289,39769 38328,39730 38473,39730 38547.74,39655.26 v2(38607.74,39655.26)
TRANS_PRI_2: D3.2 Q3.7 Q3.8 T1.2 | length 883.8
  Top Layer w50: Q3.7@37463.97,40611.46 37465.66,40609.77 D3.2@37608.97,40609.77 37608.97,40293.03 37836.7,40065.3 T1.2@37936,40065.3
TRANS_SEC_1: C11.1 D6.1 R32.2 T1.10 | length 1542.3
  Top Layer w30: D6.1@36920,40863 36920,40642.39 36928.2,40634.2 ; C11.1@36991,40634.2 36928.2,40634.2 ; T1.10@37042.3,40163.72 36930.28,40163.72 ; R32.2@37056,39704 37056,39792 37015,39833 36927,39833 36866,39894 36866,40099.45 36930.28,40163.72 ; 36928.2,40634.2 36871,40577 36871,40223 36930.28,40163.72
TRANS_SEC_2: D4.2 D8.1 Q3.5 Q3.6 T1.9 | length 1249.3
  Top Layer w50: T1.9@37042.3,40262.15 36950.85,40262.15 36931,40282 36931,40506 36955,40530 37229.2,40530 37252.97,40553.77 D4.2@37252.97,40609.16 ; D8.1@37088,40839.77 37088,40679 37157.84,40609.16 D4.2@37252.97,40609.16 ; Q3.6@37405.97,40611.46 37403.66,40609.16 D4.2@37252.97,40609.16
VCAL/VDIS: R24.2 R30.1 U4.14 U4.15 | length 132.2
  Top Layer w8: v8(38636.23,39353.97) 38657.23,39353.97 38662.86,39359.6 U4.14@38662.86,39391.12 U4.15@38682.54,39391.12
  Bottom Layer w8: R30.1@38636.23,39301.97 v8(38636.23,39353.97)
VCHG: R23.2 R29.1 U4.16 | length 133.9
  Top Layer w8: R29.1@38641.23,39312.97 R23.2@38693.23,39312.97 38693.23,39359.65 38702.23,39368.65 U4.16@38702.23,39391.12
VDD: C15.1 U4.34 | length 90
  Top Layer w10: C15.1@38718.97,39746.77 38717.97,39745.77 38717.97,39709.85 38721.91,39705.91 U4.34@38721.91,39658.83
VREF: R21.1 R22.1 R23.1 R24.1 TP7.1 U4.17 | length 835.7
  Top Layer w8: TP7.1@38693.23,39209.97 R23.1@38693.23,39268.97 38716.23,39268.97 38721.23,39273.97 v5(38721.23,39353.97) 38721.91,39354.66 U4.17@38721.91,39391.12 ; R21.1@38888.23,39659.97 38907.17,39659.97 v5(38922.97,39675.77)
  Bottom Layer w8: R24.1@38680.23,39353.97 v5(38721.23,39353.97) 38721.23,39394.97 38710.23,39405.97 ; R22.1@38680.23,39405.97 38710.23,39405.97 ; v5(38922.97,39675.77) 38891.87,39675.77 38850.07,39633.97 38716.23,39633.97 38703.23,39620.97 38703.23,39412.97 38710.23,39405.97
pads on no net: J2.0 PB1.0 PB1.14 PB1.15 PB1.21 PB1.23 PB1.34 PB1.35 PB1.37 PB1.43 PB1.45 PB1.48 PB1.50 PB1.51 PB1.52 PB1.54 PB1.61 PB1.63 PB1.65 PB1.66 PB1.67 T1.3 T1.6 U4.36

## Polygon pours and split planes (outlines as drawn)
CONNECTOR_GND on Internal Layer 2 "CONNECTOR_GND_1" (solid, pour order 8): 39859.97,39112.77 39195.97,39112.77 39185.97,39834.77 38794.97,39834.77 38794.97,41191.77 38171.97,41191.77 38171.97,41408.77 39859.97,41408.77 39859.97,40564.77
GND on Internal Layer 2 "GND_1" (solid, pour order 36): 40021,41472 34372,41472 34372,38002 40021,38002
SYNC_FET_SOURCE on Top Layer "SYNC_FET_SOURCE_1" (solid, pour order 4): 37799.97,40720.77 37165.97,40720.77 37165.97,40946.77 37799.97,40946.77
DC/DC_12V on Top Layer "DC/DC_12V_1" (solid, remove dead copper, pour order 2): 38797.97,39803.77 38797.97,40330.77 38374.97,40330.77 38374.97,39803.77
NetF13_1 on Top Layer "M_COOL_PUMP_B" (solid, pour order 16): 35606,38137.5 36053,38137.5 36053,38527 35923,38527 35923,38324.5 35606,38324.5
NetF16_1 on Top Layer "M_COOL_FAN" (solid, pour order 18): 35606,39106.41 36053,39106.41 36053,38725.52 35923,38725.52 35923,38921 35606,38921
NetF15_1 on Top Layer "HV_COOL_PUMP" (solid, pour order 12): 35923,38725.52 36053,38725.52 36053,38632 35605,38632 35605,38845.78 35923,38845.78
NetF14_1 on Top Layer "HV_COOL_FAN" (solid, pour order 14): 35923,38527 36053,38527 36053,38620.52 35605,38620.52 35605,38399 35923,38399
NetF10_1 on Top Layer "MC_B" (solid, pour order 20): 35922.19,39577.74 36052.19,39577.74 36052.19,39671.26 35604.19,39671.26 35604.19,39449.74 35922.19,39449.74
NetF11_1 on Top Layer "VCU" (solid, pour order 22): 35922.19,39776.26 36052.19,39776.26 36052.19,39682.74 35604.19,39682.74 35604.19,39896.52 35922.19,39896.52
NetF12_1 on Top Layer "M_COOL_PUMP_A" (solid, pour order 24): 35605.19,40157.15 36052.19,40157.15 36052.19,39776.26 35922.19,39776.26 35922.19,39971.74 35605.19,39971.74
NetF9_1 on Top Layer "MC_A" (solid, pour order 26): 35605.19,39188.24 36052.19,39188.24 36052.19,39577.74 35922.19,39577.74 35922.19,39375.24 35605.19,39375.24
NetF6_1 on Top Layer "DCU" (solid, pour order 28): 35922.19,40607.74 36052.19,40607.74 36052.19,40701.26 35604.19,40701.26 35604.19,40479.74 35922.19,40479.74
NetF7_1 on Top Layer "DAU" (solid, pour order 30): 35922.19,40806.26 36052.19,40806.26 36052.19,40712.74 35604.19,40712.74 35604.19,40926.52 35922.19,40926.52
NetF8_1 on Top Layer "FMB_A" (solid, pour order 32): 35605.19,41187.15 36052.19,41187.15 36052.19,40806.26 35922.19,40806.26 35922.19,41001.74 35605.19,41001.74
NetF5_1 on Top Layer "BMS" (solid, pour order 34): 35605.19,40218.24 36052.19,40218.24 36052.19,40607.74 35922.19,40607.74 35922.19,40405.24 35605.19,40405.24
12V on Top Layer "12V_2" (solid, pour order 38): 36547,38043 36547,41359 35972,41359 35972,38043
12V_GLVMS on Top Layer "12V_GLVMS_1" (solid, remove dead copper, pour order 6): 39114.97,40339.77 39847.97,40339.77 39847.97,41246.77 38175.97,41246.77 38175.97,40338.77 39115.97,40338.77
TRANS_PRI_1 on Top Layer "TRANS_PRI_1_1" (solid, remove dead copper, pour order 0): 38364.97,39803.77 38364.97,40275.77 38168.97,40276.77 38168.97,39803.77
3.3V on Internal Layer 1 "3.3V_1" (solid, pour order 40): 37269,38254 38038,38254 38038,38825 37269,38825 37269,38768
GND on Internal Layer 1 "GND_1" (solid, pour order 10): 38182.97,41095.77 36787.97,41095.77 36787.97,39815.77 38182.97,39815.77
12V on Internal Layer 1 "12V_1" (solid, pour order 44): 40014,41472 34365,41472 34365,38002 40014,38002

## Silkscreen, mask and mechanical layers (free items; w line width, h text height)
Top Overlay:
  drawing of 1116 lines, arcs and shapes, not listed
  text "E17-06 PDU REV 1 / Daniel Zhou / Lance Bantoto" at 38219,40736 h100
Board Outline:
  the board outline again, w47.24